# KiCad board Kanagawa.kicad_pcb (continued)
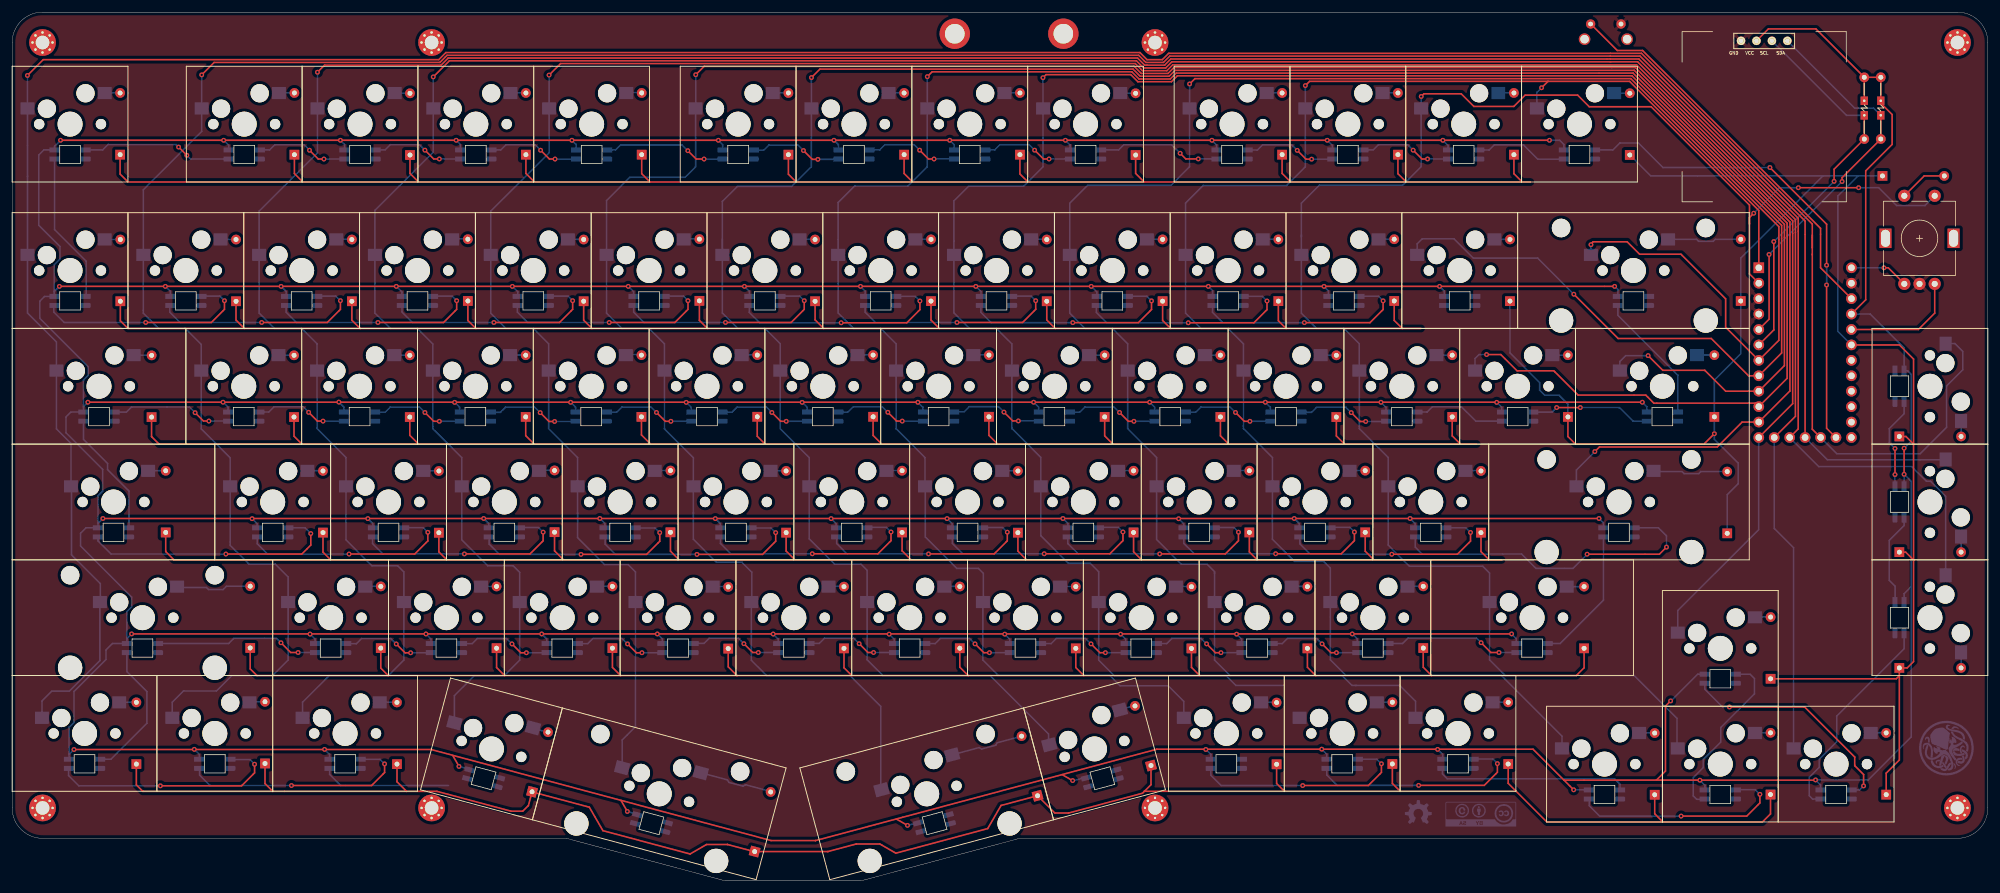
[diagram p0: board, top side]
## Nets (continued)
Net-(DE10-Pad2): DE10.2 KE10.2
Net-(DE11-Pad2): DE11.2 KE11.2
Net-(DE12-Pad2): DE12.2 KE12.2
Net-(DE13-Pad2): DE13.2 KE13.2
Net-(DF0-Pad2): DF0.2 KF0.2
Net-(DF1-Pad2): DF1.2 KF1.2
Net-(DF2-Pad2): DF2.2 KF2.2
Net-(DF3-Pad2): DF3.2 KF3.2
Net-(DF4-Pad2): DF4.2 KF4.2
Net-(DF5-Pad2): DF5.2 KF5.2
Net-(DF6-Pad2): DF6.2 KF6.2
Net-(DF7-Pad2): DF7.2 KF7.2
Net-(DF8-Pad2): DF8.2 KF8.2
Net-(DF9-Pad2): DF9.2 KF9.2
Net-(DF10-Pad2): DF10.2 KF10.2
Net-(DF11-Pad2): DF11.2 KF11.2
Net-(DF12-Pad2): DF12.2 KF12.2
Net-(DF13-Pad2): DF13.2 KF13.2

Pads without a net: MountBaseMiddleTop1 1; MountBaseMiddleTop2 1; MountBaseMiddleTop3 1; MountBaseMiddleTop4 1; MountBaseMiddleTop5 1; MountBaseMiddleTop6 1; MountBaseMiddleTop7 1; MountBaseMiddleTop8 1; RSW0 3; SW99 MP

## Via types
v1: diameter 0.8, hole 0.4, Top to Bottom, 240 vias

## Routing (per net, layer and track width the routed paths; a pad name or vN(x,y) marks a point on that pad's centre or on a via; arc(x,y) is an arc through that point)
VCC: length 2005.6
  Top w0.254: 145.49,10.16 147.2,9.17 ; 172.72,17.49 174.43,16.5 174.44,16.5 v1(174.45,16.51) ; 270.48,16.58 277.62,16.58 v1(277.63,16.57) 296.62,16.57 v1(296.66,16.61) ; 270.48,16.58 271.97,18.07 271.97,28.77 v1(272.82,29.62) ; 270.48,16.58 255.27,16.58 ; v1(7.96,121.91) v1(34.79,121.91) v1(54,121.91) v1(73.04,121.91) v1(92.08,121.91) v1(116.17,121.91) v1(135.19,121.91) v1(154.23,121.91) v1(173.26,121.91) v1(197.36,121.91) v1(216.33,121.91) v1(235.35,121.91) v1(252.89,121.91) ; 302.47,93.3 U0.21 304.91,95.65 304.91,116.88 309.26,121.23 309.26,126.14 307.39,128.01 R1.2 304.68,132.28 296.72,140.24 288.9,140.24 J1.2 ; 100.16,13.22 101.15,11.51 ; 255.27,16.58 250.18,21.67 188.3,21.67 146.49,10.47 141.92,9.24 ; 255.27,16.58 255.27,16.58 v1(256.87,14.98) ; v1(14.92,59.65) v1(261.04,59.65) ; v1(311.23,71.22) v1(311.23,66.93) ; 72.46,20.66 73.45,18.95 ; v1(10.17,21.62) 68.91,21.62 68.91,21.62 124.85,6.63 132.14,6.63 132.14,6.63 141.94,9.25 ; v1(7.77,97.86) v1(25.2,97.86) v1(44.24,97.86) v1(63.19,97.86) v1(82.28,97.86) v1(101.35,97.86) v1(120.46,97.86) v1(139.55,97.86) v1(158.52,97.86) v1(177.51,97.86) v1(196.77,97.86) v1(215.8,97.86) v1(234.81,97.86) v1(263.61,97.86) ; R2.2 304.67,132.29 ; v1(12.46,78.79) v1(268.16,78.79) ; v1(19.65,40.65) v1(246.66,40.65) ; 73.48,18.86 v1(73.5,18.84)
  Bottom w0.254: 101.18,11.41 103.07,10.9 ; 147.27,9.11 149.16,9.62 ; 174.46,16.46 176.35,16.97 ; 297.49,14.97 297.49,15.79 v1(296.66,16.61) 305.32,16.61 312.4,23.69 312.4,48.45 ; v1(51.39,21.64) 52.22,20.82 52.22,20 ; v1(34.69,78.79) 35.52,77.97 35.52,77.15 ; KC0.4 11.74,78 ; 11.74,78 11.74,78.07 v1(12.46,78.79) ; 11.74,78 11.74,82.43 12.52,83.21 12.52,84.62 4.55,92.59 4.55,95.42 5.33,96.2 6.91,96.2 6.91,97.02 ; KB11.4 216.53,97.14 v1(215.8,97.86) ; KA9.4 198.12,121.15 v1(197.36,121.91) ; v1(272.82,29.62) 272.86,29.62 277.26,34.02 KE12.4 ; v1(153.79,59.63) 154.62,58.81 154.62,57.99 ; v1(263.61,97.86) 264.15,97.32 KB13.4 ; v1(229.96,59.65) 230.79,58.83 230.79,58.01 ; 68.89,39 68.89,39.82 v1(68.07,40.64) ; v1(10.17,21.62) 9.43,20.88 9.36,20.88 ; KA8.4 174.02,121.15 v1(173.26,121.91) ; 183.17,38.97 183.17,39.79 v1(182.34,40.61) ; 197.19,19.99 197.19,20.81 v1(196.36,21.63) ; KB10.4 197.48,97.16 v1(196.77,97.86) ; v1(87.11,40.64) 87.93,39.82 87.93,39 ; v1(216.33,121.91) 217.18,121.07 KA10.4 ; 312.4,48.45 311.23,47.27 KF13.4 ; 312.4,48.45 312.4,65.75 v1(311.23,66.93) 311.23,64.9 ; v1(168.03,78.79) 168.86,77.97 168.86,77.15 ; v1(54,121.91) 54.67,121.24 KA2.4 ; KA1.4 35.63,121.08 v1(34.79,121.91) ; v1(234.49,21.64) 235.31,20.82 235.31,20 ; 18.88,39.79 18.88,39.88 v1(19.65,40.65) ; 18.88,39.79 KE0.4 ; 18.88,39.79 18.88,44.34 19.66,45.12 19.66,46.71 11.25,55.12 11.25,57.21 12.16,58.12 14.11,58.12 ; 202.25,38.97 202.25,39.79 v1(201.42,40.61) ; 216.25,20.04 216.25,20.86 v1(215.42,21.68) ; 6.91,97.02 6.91,101.42 7.87,102.38 7.87,104.42 4.37,107.92 4.37,119.48 5.21,120.32 KA0.4 6.98,120.92 v1(7.96,121.91) ; 6.91,97.02 6.93,97.02 v1(7.77,97.86) ; 268.92,77.15 268.92,78.04 v1(268.16,78.79) ; v1(225.17,78.78) 226,77.96 226,77.14 ; KB3.4 64.13,96.92 v1(63.19,97.86) ; 73.48,18.83 75.37,18.32 ; 14.12,58.85 14.12,63.39 14.89,64.16 14.89,67.73 8.86,73.76 8.86,76.38 9.65,77.17 11.73,77.17 ; 14.12,58.85 v1(14.92,59.65) ; 14.12,58.85 KD0.4 ; v1(235.35,121.91) 236.23,121.04 KA11.4 ; v1(44.24,97.86) 45.08,97.03 KB2.4 ; v1(154.23,121.91) 154.98,121.17 KA7.4 ; KB4.4 83.18,96.97 v1(82.28,97.86) ; v1(163.28,40.61) 164.11,39.79 164.11,38.97 ; KF0.4 9.36,20.88 ; 9.36,20.88 9.36,25.27 10.17,26.08 10.17,31.17 15.44,36.44 15.44,38.02 16.49,39.07 18.88,39.07 ; v1(144.27,40.61) 145.09,39.79 145.09,38.97 ; v1(115.67,59.63) 116.49,58.81 116.49,57.99 ; 278.45,14.93 278.45,15.75 v1(277.63,16.57) ; 126.02,38.99 126.02,39.81 v1(125.19,40.63) ; 247.43,38.98 247.43,39.89 v1(246.66,40.65) ; 30.78,20.01 30.78,20.83 v1(29.96,21.65) ; 73.61,77.13 73.61,77.95 v1(72.79,78.77) ; v1(53.74,78.81) 54.56,77.99 54.56,77.17 ; KA6.4 135.93,121.17 v1(135.19,121.91) ; KB9.4 178.43,96.94 v1(177.51,97.86) ; v1(25.2,97.86) 26.02,97.04 KB1.4 ; v1(39.47,59.62) 40.3,58.8 40.3,57.98 ; KB7.4 140.33,97.08 v1(139.55,97.86) ; v1(106.13,40.64) 106.95,39.82 106.95,39 ; v1(129.95,78.77) 130.77,77.95 130.77,77.13 ; v1(96.67,59.65) 97.49,58.83 97.49,58.01 ; KA4.4 92.78,121.22 v1(92.08,121.91) ; v1(101.35,97.86) 102.23,96.98 102.23,96.22 ; 135.55,57.99 135.55,58.81 v1(134.72,59.63) ; v1(210.9,59.65) 211.73,58.83 211.73,58.01 ; KA3.4 73.73,121.22 v1(73.04,121.91) ; v1(252.89,121.91) 254.56,121.91 255.27,121.2 255.27,120.32 ; 192.71,57.97 192.71,58.79 v1(191.89,59.61) ; 261.76,57.98 261.76,58.93 v1(261.04,59.65) ; v1(120.46,97.86) 121.28,97.05 KB6.4 ; v1(244.21,78.77) 245.04,77.95 245.04,77.13 ; v1(187.12,78.79) 187.94,77.97 187.94,77.15 ; 173.68,58.01 173.68,58.83 v1(172.85,59.65) ; 78.39,58.01 78.39,58.83 v1(77.57,59.65) ; 302.56,93.31 305.65,93.31 311.23,87.74 KD13.4 311.81,83.97 312.4,83.38 312.4,72.39 v1(311.23,71.22) ; KA5.4 116.88,121.2 v1(116.17,121.91) ; KB8.4 159.38,97 v1(158.52,97.86) ; v1(49,40.62) 49.83,39.8 49.83,38.98 ; 59.33,57.99 59.33,58.81 v1(58.51,59.63) ; v1(256.87,14.98) 259.38,14.98 259.41,14.96 ; KB12.4 235.57,97.1 v1(234.81,97.86) ; 149.81,77.14 149.81,77.96 v1(148.99,78.78) ; 111.7,77.13 111.7,77.95 v1(110.88,78.77) ; 206.98,77.15 206.98,77.97 v1(206.15,78.79) ; v1(220.45,40.64) 221.28,39.82 221.28,39 ; v1(91.87,78.78) 92.7,77.96 92.7,77.14
  vias: v1(101.2,11.42) v1(147.28,9.13)
/IN_A0: length 24.9
  Top w0.254: v1(27.38,120.79) v1(28.73,119.44)
  Bottom w0.254: v1(28.73,119.44) 29.35,118.82 35.63,118.82 ; KA0.5 14.89,120.32 15.78,121.21 26.96,121.21 v1(27.38,120.79)
/IN_A1: length 15.3
  Top w0.254: v1(51.28,118.82) 50.36,118.82 v1(48.91,120.27)
  Bottom w0.254: v1(51.28,118.82) 54.72,118.82 ; KA1.5 42.36,120.32 43.21,121.17 48.01,121.17 v1(48.91,120.27)
/IN_A2: length 15.3
  Top w0.254: v1(70.27,118.83) 69.35,118.83 v1(67.9,120.28)
  Bottom w0.254: v1(67.9,120.28) 67,121.18 62.2,121.18 61.35,120.33 59.72,120.33 ; v1(70.27,118.83) 73.71,118.83
/IN_A3: length 15.3
  Top w0.254: v1(89.3,118.82) 88.38,118.82 v1(86.93,120.27)
  Bottom w0.254: v1(89.3,118.82) 92.74,118.82 ; 78.75,120.32 80.38,120.32 81.23,121.17 86.03,121.17 v1(86.93,120.27)
/IN_A4: length 20.3
  Top w0.254: v1(111.15,120.19) 112.52,118.82 v1(113.82,118.82)
  Bottom w0.254: v1(113.82,118.82) 116.87,118.82 116.89,118.84 ; v1(111.15,120.19) 110.21,121.13 100.08,121.13 99.26,120.32 KA4.5
/IN_A5: length 15.3
  Top w0.254: v1(130.17,120.22) 131.62,118.77 v1(132.54,118.77)
  Bottom w0.254: v1(130.17,120.22) 129.27,121.12 124.47,121.12 123.62,120.27 121.99,120.27 ; v1(132.54,118.77) 135.98,118.77
/IN_A6: length 15.3
  Top w0.254: v1(149.28,120.28) 150.73,118.83 v1(151.65,118.83)
  Bottom w0.254: v1(149.28,120.28) 148.38,121.18 143.58,121.18 142.73,120.33 141.1,120.33 ; v1(151.65,118.83) 155.09,118.83
/IN_A7: length 15.3
  Top w0.254: v1(170.57,118.83) 169.65,118.83 v1(168.2,120.28)
  Bottom w0.254: 160.02,120.33 161.65,120.33 162.5,121.18 167.3,121.18 v1(168.2,120.28) ; v1(170.57,118.83) 174.01,118.83
/IN_A8: length 20.3
  Top w0.254: v1(195.12,118.84) 193.06,118.84 v1(192.13,119.77)
  Bottom w0.254: v1(192.13,119.77) 190.73,121.17 182.86,121.17 182.01,120.32 KA8.5 ; v1(195.12,118.84) 198.13,118.84
/IN_A9: length 15.3
  Top w0.254: v1(213.76,118.8) 212.84,118.8 v1(211.39,120.25)
  Bottom w0.254: 203.21,120.3 204.84,120.3 205.69,121.15 210.49,121.15 v1(211.39,120.25) ; v1(213.76,118.8) 217.2,118.8
/IN_A10: length 15.3
  Top w0.254: v1(230.46,120.28) 231.91,118.83 v1(232.83,118.83)
  Bottom w0.254: v1(232.83,118.83) 236.27,118.83 ; v1(230.46,120.28) 229.56,121.18 224.76,121.18 223.91,120.33 222.28,120.33
/IN_A11: length 15.3
  Bottom w0.254: 255.32,118.8 250.96,118.8 248.61,121.15 243.81,121.15 242.96,120.3 241.33,120.3
/IN_B0: length 24.8
  Bottom w0.254: 12.18,96.22 12.18,102 6.98,107.2 KA0.3
/IN_B1: length 36.4
  Top w0.254: v1(34.92,95.5) 34.92,94.08 32.76,91.92 v1(21.97,91.92)
  Bottom w0.254: v1(21.97,91.92) 8.56,91.92 6.86,93.62 6.86,94.74 ; 31.01,96.26 34.16,96.26 v1(34.92,95.5)
/IN_B2: length 36.4
  Top w0.254: v1(54,95.5) 54,94.08 51.84,91.92 v1(41.04,91.92)
  Bottom w0.254: v1(41.04,91.92) 27.63,91.92 25.93,93.62 25.93,94.74 ; 50.09,96.26 53.24,96.26 v1(54,95.5)
/IN_B3: length 36.4
  Top w0.254: v1(73.12,95.5) 73.12,94.08 70.96,91.92 v1(60.17,91.92)
  Bottom w0.254: v1(60.17,91.92) 46.76,91.92 45.06,93.62 45.06,94.74 ; v1(73.12,95.5) 72.36,96.26 69.21,96.26
/IN_B4: length 36.4
  Top w0.254: v1(79.25,91.92) 90.04,91.92 92.2,94.08 v1(92.2,95.5)
  Bottom w0.254: v1(92.2,95.5) 91.44,96.26 88.29,96.26 ; 64.14,94.74 64.14,93.62 65.83,91.92 v1(79.25,91.92)
/IN_B5: length 36.4
  Top w0.254: v1(111.17,95.5) 111.17,94.08 109.01,91.92 v1(98.22,91.92)
  Bottom w0.254: v1(111.17,95.5) 110.41,96.26 107.26,96.26 ; 83.11,94.74 83.11,93.62 84.81,91.92 v1(98.22,91.92)
/IN_B6: length 36.4
  Top w0.254: v1(117.35,91.92) 128.14,91.92 130.3,94.08 v1(130.3,95.5)
  Bottom w0.254: 126.39,96.26 129.54,96.26 v1(130.3,95.5) ; 102.24,94.74 102.24,93.62 103.93,91.92 v1(117.35,91.92)
/IN_B7: length 36.4
  Top w0.254: v1(149.32,95.45) 149.32,94.03 147.16,91.87 v1(136.37,91.87)
  Bottom w0.254: v1(136.37,91.87) 122.96,91.87 121.26,93.57 121.26,94.69 ; 145.41,96.21 148.56,96.21 v1(149.32,95.45)
/IN_B8: length 36.4
  Top w0.254: v1(168.37,95.5) 168.37,94.08 166.21,91.92 v1(155.42,91.92)
  Bottom w0.254: v1(168.37,95.5) 167.61,96.26 164.46,96.26 ; 140.31,94.74 140.31,93.62 142.01,91.92 v1(155.42,91.92)
/IN_B9: length 36.4
  Top w0.254: v1(187.42,95.47) 187.42,94.05 185.26,91.89 v1(174.47,91.89)
  Bottom w0.254: v1(174.47,91.89) 161.06,91.89 159.36,93.59 159.36,94.71 ; 183.51,96.24 186.66,96.24 v1(187.42,95.47)
/IN_B10: length 36.4
  Top w0.254: v1(193.47,91.87) 204.26,91.87 206.42,94.03 v1(206.42,95.45)
  Bottom w0.254: v1(193.47,91.87) 180.06,91.87 178.36,93.57 178.36,94.69 ; 202.51,96.21 205.66,96.21 v1(206.42,95.45)
/IN_B11: length 36.4
  Top w0.254: v1(225.52,95.47) 225.52,94.05 223.36,91.89 v1(212.57,91.89)
  Bottom w0.254: 197.46,94.71 197.46,93.59 199.16,91.89 v1(212.57,91.89) ; 221.61,96.24 224.76,96.24 v1(225.52,95.47)
/IN_C0: length 20.1
  Top w0.254: v1(30.1,77.06) 31.47,75.69 v1(32.36,75.69)
  Bottom w0.254: KC0.5 18.8,77.17 19.63,78 29.16,78 v1(30.1,77.06) ; 35.64,75.61 35.56,75.69 v1(32.36,75.69)
/IN_C1: length 15.3
  Top w0.254: v1(48.77,77.13) 50.22,75.68 v1(51.14,75.68)
  Bottom w0.254: v1(51.14,75.68) 54.58,75.68 ; v1(48.77,77.13) 47.87,78.03 43.07,78.03 42.22,77.18 40.59,77.18
/IN_C2: length 15.3
  Top w0.254: v1(67.9,77.1) 69.35,75.65 v1(70.27,75.65)
  Bottom w0.254: 59.72,77.15 61.35,77.15 62.2,78 67,78 v1(67.9,77.1) ; v1(70.27,75.65) 73.71,75.65
/IN_C3: length 15.3
  Top w0.254: v1(89.23,75.62) 88.31,75.62 v1(86.86,77.07)
  Bottom w0.254: v1(86.86,77.07) 85.96,77.97 81.16,77.97 80.31,77.12 78.68,77.12 ; v1(89.23,75.62) 92.67,75.62
/IN_C4: length 15.3
  Top w0.254: v1(105.99,77.1) 107.44,75.65 v1(108.36,75.65)
  Bottom w0.254: 97.81,77.15 99.44,77.15 100.29,78 105.09,78 v1(105.99,77.1) ; v1(108.36,75.65) 111.8,75.65
/IN_C5: length 15.3
  Top w0.254: v1(127.34,75.65) 126.42,75.65 v1(124.97,77.1)
  Bottom w0.254: 116.79,77.15 118.42,77.15 119.27,78 124.07,78 v1(124.97,77.1) ; v1(127.34,75.65) 130.78,75.65
/IN_C6: length 15.3
  Top w0.254: v1(144.05,77.13) 145.5,75.68 v1(146.42,75.68)
  Bottom w0.254: 135.87,77.18 137.5,77.18 138.35,78.03 143.15,78.03 v1(144.05,77.13) ; v1(146.42,75.68) 149.86,75.68
/IN_C7: length 15.3
  Top w0.254: v1(165.52,75.71) 164.6,75.71 v1(163.15,77.16)
  Bottom w0.254: v1(165.52,75.71) 168.96,75.71 ; 154.97,77.21 156.6,77.21 157.45,78.06 162.25,78.06 v1(163.15,77.16)
/IN_C8: length 15.3
  Top w0.254: v1(184.53,75.65) 183.61,75.65 v1(182.16,77.1)
  Bottom w0.254: v1(182.16,77.1) 181.26,78 176.46,78 175.61,77.15 173.98,77.15 ; v1(184.53,75.65) 187.97,75.65
/IN_C9: length 15.3
  Top w0.254: v1(201.24,77.1) 202.69,75.65 v1(203.61,75.65)
  Bottom w0.254: v1(203.61,75.65) 207.05,75.65 ; v1(201.24,77.1) 200.34,78 195.54,78 194.69,77.15 193.06,77.15
/IN_C10: length 15.3
  Top w0.254: v1(220.28,77.07) 221.73,75.62 v1(222.65,75.62)
  Bottom w0.254: v1(222.65,75.62) 226.09,75.62 ; 212.1,77.12 213.73,77.12 214.58,77.97 219.38,77.97 v1(220.28,77.07)
/IN_C11: length 15.3
  Bottom w0.254: 245.13,75.68 240.77,75.68 238.42,78.03 233.62,78.03 232.77,77.18 231.14,77.18
/IN_C12: length 19.9
  Top w0.254: v1(254.07,77.91) v1(257.96,77.91)
  Bottom w0.254: v1(254.07,77.91) 253.33,77.17 KC12.5 ; 268.91,75.67 266.64,75.67 264.4,77.91 v1(257.96,77.91)
/IN_C13: length 21.6
  Bottom w0.254: KB13.3 264.15,93.09 274.02,83.22 274.02,77.17
/IN_D0: length 20.6
  Bottom w0.254: KD0.5 19.22,64.17 15.7,67.69 15.7,68.71 11.74,72.66 KC0.3
/IN_D1: length 43.2
  Top w0.254: v1(49.12,57.17) 49.12,55.27 47.65,53.8 v1(35.15,53.8)
  Bottom w0.254: v1(35.15,53.8) 16.28,53.8 14.12,55.95 KD0.3 ; 45.42,58.11 48.18,58.11 v1(49.12,57.17)
/IN_D2: length 36.4
  Top w0.254: v1(68.38,57.38) 68.38,55.95 66.22,53.8 v1(55.42,53.8)
  Bottom w0.254: v1(55.42,53.8) 42.01,53.8 40.31,55.49 KD1.3 ; 64.47,58.14 67.61,58.14 v1(68.38,57.38)
/IN_D3: length 36.4
  Top w0.254: v1(74.39,53.82) 85.19,53.82 87.35,55.98 v1(87.35,57.4)
  Bottom w0.254: 59.28,56.64 59.28,55.52 60.98,53.82 v1(74.39,53.82) ; 83.44,58.16 86.59,58.16 v1(87.35,57.4)
/IN_D4: length 36.4
  Top w0.254: v1(106.52,57.32) 106.52,55.9 104.37,53.74 v1(93.57,53.74)
  Bottom w0.254: 78.46,56.56 78.46,55.44 80.16,53.74 v1(93.57,53.74) ; 102.61,58.08 105.76,58.08 v1(106.52,57.32)
/IN_D5: length 36.4
  Top w0.254: v1(125.6,57.32) 125.6,55.9 123.44,53.74 v1(112.65,53.74)
  Bottom w0.254: 97.54,56.56 97.54,55.44 99.24,53.74 v1(112.65,53.74) ; 121.69,58.08 124.84,58.08 v1(125.6,57.32)
/IN_D6: length 36.4
  Top w0.254: v1(144.57,57.42) 144.57,56 142.42,53.84 v1(131.62,53.84)
  Bottom w0.254: 116.51,56.67 116.51,55.54 118.21,53.84 v1(131.62,53.84) ; 140.66,58.19 143.81,58.19 v1(144.57,57.42)
/IN_D7: length 36.4
  Top w0.254: v1(150.75,53.82) 161.54,53.82 163.7,55.98 v1(163.7,57.4)
  Bottom w0.254: 135.64,56.64 135.64,55.52 137.34,53.82 v1(150.75,53.82) ; 159.79,58.16 162.94,58.16 v1(163.7,57.4)
/IN_D8: length 36.4
  Top w0.254: v1(182.72,57.42) 182.72,56 180.57,53.84 v1(169.77,53.84)
  Bottom w0.254: 154.66,56.67 154.66,55.54 156.36,53.84 v1(169.77,53.84) ; v1(182.72,57.42) 181.96,58.19 178.81,58.19
/IN_D9: length 36.4
  Top w0.254: v1(188.77,53.82) 199.57,53.82 201.72,55.98 v1(201.72,57.4)
  Bottom w0.254: v1(201.72,57.4) 200.96,58.16 197.81,58.16 ; v1(188.77,53.82) 175.36,53.82 173.66,55.52 173.66,56.64
/IN_D10: length 36.4
  Top w0.254: v1(207.85,53.84) 218.64,53.84 220.8,56 v1(220.8,57.42)
  Bottom w0.254: v1(207.85,53.84) 194.43,53.84 192.74,55.54 192.74,56.67 ; v1(220.8,57.42) 220.04,58.19 216.89,58.19
/IN_D11: length 36.4
  Top w0.254: v1(239.9,57.35) 239.9,55.93 237.74,53.77 v1(226.95,53.77)
  Bottom w0.254: 211.84,56.59 211.84,55.47 213.54,53.77 v1(226.95,53.77) ; v1(239.9,57.35) 239.14,58.11 235.99,58.11
/IN_D12: length 53.6
  Top w0.254: v1(259.08,53.77) 270.97,53.77 v1(272.14,54.94)
  Bottom w0.254: v1(272.14,54.94) 272.14,56.79 270.81,58.12 KD12.5 ; v1(259.08,53.77) 256.74,51.43 250.67,51.43 248.31,53.8 231.95,53.8 230.81,54.94 KD11.3
/IN_D13: length 15.3
  Top w0.254: v1(309.73,66.88) v1(309.73,71.17)
  Bottom w0.254: KE13.3 309.73,66.87 v1(309.73,66.88) ; KD13.5 311.23,76.89 308.79,74.46 308.79,72.11 v1(309.73,71.17)
/IN_E0: length 27.3
  Top w0.254: v1(44.22,39.19) 45.82,37.59 v1(47.04,37.59)
  Bottom w0.254: KE0.5 35.62,39.07 36.47,39.93 43.48,39.93 v1(44.22,39.19) ; v1(47.04,37.59) 49.73,37.59 49.86,37.46
/IN_E1: length 15.3
  Top w0.254: v1(63.18,38.99) 64.63,37.54 v1(65.55,37.54)
  Bottom w0.254: v1(65.55,37.54) 68.99,37.54 ; 55,39.04 56.63,39.04 57.48,39.89 62.28,39.89 v1(63.18,38.99)
/IN_E2: length 15.3
  Top w0.254: v1(84.59,37.55) 83.67,37.55 v1(82.22,39)
  Bottom w0.254: v1(82.22,39) 81.32,39.9 76.52,39.9 75.67,39.05 74.04,39.05 ; v1(84.59,37.55) 88.03,37.55
/IN_E3: length 15.3
  Top w0.254: v1(103.6,37.55) 102.68,37.55 v1(101.23,39)
  Bottom w0.254: v1(101.23,39) 100.33,39.9 95.53,39.9 94.68,39.05 93.05,39.05 ; v1(103.6,37.55) 107.04,37.55
/IN_E4: length 15.3
  Top w0.254: v1(120.37,39.04) 121.82,37.59 v1(122.74,37.59)
  Bottom w0.254: v1(120.37,39.04) 119.47,39.94 114.67,39.94 113.82,39.09 112.19,39.09 ; v1(122.74,37.59) 126.18,37.59
/IN_E5: length 15.3
  Top w0.254: v1(141.7,37.59) 140.78,37.59 v1(139.33,39.04)
  Bottom w0.254: v1(141.7,37.59) 145.14,37.59 ; 131.15,39.09 132.78,39.09 133.63,39.94 138.43,39.94 v1(139.33,39.04)
/IN_E6: length 15.3
  Top w0.254: v1(158.39,39.01) 159.84,37.56 v1(160.76,37.56)
  Bottom w0.254: v1(158.39,39.01) 157.49,39.91 152.69,39.91 151.84,39.06 150.21,39.06 ; v1(160.76,37.56) 164.2,37.56
/IN_E7: length 15.3
  Top w0.254: v1(177.47,39.01) 178.92,37.56 v1(179.84,37.56)
  Bottom w0.254: v1(179.84,37.56) 183.28,37.56 ; 169.29,39.06 170.92,39.06 171.77,39.91 176.57,39.91 v1(177.47,39.01)
/IN_E8: length 15.3
  Top w0.254: v1(198.85,37.56) 197.93,37.56 v1(196.48,39.01)
  Bottom w0.254: v1(196.48,39.01) 195.58,39.91 190.78,39.91 189.93,39.06 188.3,39.06 ; v1(198.85,37.56) 202.29,37.56
/IN_E9: length 15.3
  Top w0.254: v1(217.85,37.56) 216.93,37.56 v1(215.48,39.01)
  Bottom w0.254: v1(217.85,37.56) 221.29,37.56 ; 207.3,39.06 208.93,39.06 209.78,39.91 214.58,39.91 v1(215.48,39.01)
/IN_E10: length 22.4
  Top w0.254: v1(244.58,37.59) 243.25,37.59 v1(241.64,39.2)
  Bottom w0.254: v1(241.64,39.2) 240.88,39.96 229.61,39.96 228.72,39.07 KE10.5 ; v1(244.58,37.59) 247.46,37.59
/IN_E11: length 22.6
  Bottom w0.254: KE11.5 254.64,39.07 261.77,46.2 261.77,56.63
/IN_E12: length 29
  Bottom w0.254: 278.41,13.43 277.09,13.43 276.54,13.98 276.54,17 278.18,18.64 278.18,19.97 281.06,22.85 281.06,25.24 286.61,30.79 286.61,33.3 285.9,34.01 283.53,34.01
/IN_E13: length 15.4
  Bottom w0.254: KE13.5 311.23,58.48 308.78,56.04 308.78,49.47 309.75,48.5 309.75,45.86
/IN_F0: length 23.2
  Bottom w0.254: 18.88,37.57 18.88,34.44 22.17,31.15 22.17,25.94 16.25,20.02 KF0.5
/IN_F1: length 39
  Top w0.254: v1(39.88,19.2) 39.88,17.78 37.74,15.64 v1(24.38,15.64)
  Bottom w0.254: 35.97,19.96 39.12,19.96 v1(39.88,19.2) ; v1(24.38,15.64) 10.97,15.64 9.27,17.34 9.27,18.46
/IN_F2: length 38.8
  Top w0.254: v1(61.26,19.25) 61.26,17.83 59.13,15.69 v1(45.95,15.69)
  Bottom w0.254: 30.84,18.51 30.84,17.39 32.53,15.69 v1(45.95,15.69) ; 57.35,20.01 60.5,20.01 v1(61.26,19.25)
/IN_F3: length 21.3
  Bottom w0.254: 71.78,15.7 54.05,15.7 52.22,17.52 52.22,18.4 52.22,18.4 KF2.3
/IN_F8: length 36.4
  Top w0.254: v1(225.24,19.27) 225.24,17.85 223.09,15.69 v1(212.29,15.69)
  Bottom w0.254: 197.18,18.51 197.18,17.39 198.88,15.69 v1(212.29,15.69) ; v1(225.24,19.27) 224.48,20.04 221.33,20.04
/IN_F9: length 36.4
  Top w0.254: v1(231.37,15.72) 242.16,15.72 244.32,17.88 v1(244.32,19.3)
  Bottom w0.254: 216.26,18.54 216.26,17.42 217.95,15.72 v1(231.37,15.72) ; v1(244.32,19.3) 243.56,20.06 240.41,20.06
/IN_F10: length 31.8
  Bottom w0.254: KF10.5 264.49,15.9 263.6,16.79 236.09,16.79 235.29,17.59 KF9.3
/IN_F11: length 36.4
  Top w0.254: v1(287.5,14.24) 287.5,12.82 285.34,10.66 v1(274.55,10.66)
  Bottom w0.254: v1(274.55,10.66) 261.13,10.66 259.44,12.36 259.44,13.49 ; v1(287.5,14.24) 286.74,15.01 283.59,15.01
/IN_F12: length 37.9
  Top w0.254: v1(282.49,28.62) 294.86,28.62 303.1,20.38 303.1,18.96 304.56,17.5 v1(304.56,15.63)
  Bottom w0.254: KF12.5 303.9,14.97 v1(304.56,15.63) ; KE12.3 278.44,31.54 281.36,28.62 v1(282.49,28.62)
/IN_F13: length 35.3
  Bottom w0.254: KF12.3 296.17,13.47 295.62,14.02 295.62,17.04 297.26,18.68 297.26,20.01 300.14,22.89 300.14,27.13 311.23,38.22 311.23,40.77
/SW99B: length 7.9
  Top w0.254: DA13.2 314.53,116.04 SW99.S2
col00: length 502.5
  Top w0.254: 296.12,104.27 296.12,106.29 ; 296.12,104.27 296.12,74.34 U0.28 ; 296.12,104.27 296.12,108.12 268.02,136.22 190.24,136.22 189.2,135.18 186.68,135.18 185.51,136.35 71.35,136.35 70.18,135.18 5.11,135.18 v1(2.51,132.58)
  Bottom w0.254: KE0.1 14.43,36.25 9.41,31.23 6.52,31.23 4.91,29.62 4.91,26.84 ; U0.28 300.16,70.31 313.87,70.31 318.21,74.65 318.21,81.46 320.88,84.12 320.88,87.15 319.58,88.44 318.03,88.44 ; 14.51,46.16 14.51,48.92 9.76,53.67 9.76,65.26 ; 9.68,64.94 9.68,72 7.29,74.39 KC0.1 ; KA0.1 2.53,115.89 ; 7.28,84 7.28,88.72 2.53,93.47 KB0.1 ; 2.53,116.05 2.53,115.89 ; 2.53,115.89 2.53,103.11 ; 2.52,127.16 2.52,132.57 v1(2.51,132.58)
col01: length 477.3
  Top w0.254: U0.27 294.94,108.61 267.79,135.76 262.91,135.76 262.9,135.77 190.43,135.77 189.39,134.73 186.49,134.73 185.32,135.9 71.54,135.9 70.37,134.73 33.23,134.73 v1(31.18,132.68)
  Bottom w0.254: v1(31.18,132.68) 31.18,127.15 ; U0.27 298.61,69.31 318.03,69.31 318.06,69.34 ; 31.18,127.15 31.18,123.36 21.58,113.75 KB1.1 21.58,93.46 24.07,90.96 28.44,90.96 31.1,88.3 31.1,84 ; 35.86,64.95 35.86,69.64 31.1,74.4 KC1.1 ; KE1.1 45.39,36.34 42.83,33.78 36.12,33.78 33.6,31.26 28.18,31.26 26.34,29.42 26.34,26.85 ; 45.4,45.9 45.4,50.02 43.29,52.13 38.95,52.13 35.86,55.22 KD1.1
col02: length 473.4
  Top w0.254: 292.4,72.99 293.8,74.39 293.8,109.08 267.59,135.29 190.59,135.29 189.58,134.27 186.3,134.27 185.13,135.44 71.73,135.44 70.56,134.27 51.38,134.27 v1(50.22,133.11)
  Bottom w0.254: U0.26 297.19,68.2 312.47,68.2 314.88,65.78 315.57,65.78 318.06,63.3 KF13.1 ; KD2.1 54.91,56.14 59.19,51.86 63.42,51.86 64.44,50.84 KE2.1 64.44,36.35 61.88,33.79 52.15,33.79 47.77,29.41 47.77,26.84 ; KC2.1 50.15,74.45 54.91,69.69 54.91,64.95 ; KA2.1 50.22,119.84 40.62,110.24 KB2.1 40.62,93.47 43.15,90.94 47.62,90.94 50.15,88.41 50.15,83.99 ; v1(50.22,133.11) 50.22,127.16
col03: length 459.2
  Top w0.254: v1(69.27,132.34) 71.92,134.99 184.94,134.99 186.11,133.82 189.76,133.82 190.77,134.82 267.39,134.82 293.35,108.86 293.35,76.47 U0.25
  Bottom w0.254: v1(69.27,132.34) 69.27,127.15 ; KC3.1 69.2,74.44 73.96,69.68 73.96,64.95 ; 72.75,26.02 72.75,30.49 76.03,33.77 80.93,33.77 83.49,36.33 KE3.1 83.49,50.78 82.41,51.86 78.24,51.86 73.96,56.14 KD3.1 ; KF12.1 293.04,54.84 289.86,58.01 289.86,73 ; 69.2,83.99 69.2,88.37 66.64,90.93 62.2,90.93 59.68,93.45 59.68,110.38 69.28,119.97 KA3.1
col04: length 426.3
  Top w0.254: v1(88.32,132.64) 90.21,134.53 184.75,134.53 185.92,133.36 189.95,133.36 190.92,134.33 267.21,134.33 292.89,108.65 292.89,78.56 U0.12
  Bottom w0.254: KA4.1 88.33,119.84 78.73,110.25 KB4.1 78.73,93.44 81.21,90.95 85.7,90.95 88.25,88.4 88.25,84 ; 93.01,60.55 93.01,60.38 ; 93.01,60.55 KD4.1 ; 93.01,60.55 93.01,56.5 97.44,52.07 101.32,52.07 102.54,50.85 KE4.1 102.54,25.38 100.35,23.19 KF4.1 ; v1(88.32,132.64) 88.32,127.14 ; KC4.1 88.25,74.44 93.01,69.68 93.01,64.95 ; 287.3,72.97 287.3,57.81 273.99,44.5 KE12.1
col05: length 423.2
  Top w0.254: v1(112.45,132.7) 113.83,134.08 184.57,134.08 185.74,132.91 190.14,132.91 191.11,133.88 267.02,133.88 292.44,108.46 292.44,80.64 U0.11 ; 287.32,75.51 284.58,75.51 280.5,71.43 261.12,71.43 v1(260.35,70.66)
  Bottom w0.254: 112.06,60.61 112.06,69.65 107.3,74.41 KC5.1 ; 112.06,60.61 112.06,60.42 ; 112.06,60.61 112.06,56.23 115.84,52.45 120.03,52.45 121.67,50.81 121.67,46.25 ; 107.3,84.01 107.3,88.41 104.77,90.94 100.28,90.94 97.78,93.44 KB5.1 97.78,111.97 101.62,115.82 110.69,115.82 112.43,117.55 KA5.1 ; KD12.1 257.32,67.63 v1(260.35,70.66) ; 142.88,15.46 142.88,28.72 137.8,33.8 124.1,33.8 121.6,36.3 121.6,45.9 ; v1(112.45,132.7) 112.45,127.15
col06: length 418
  Top w0.254: v1(242.54,86.64) 244.88,86.64 247.55,83.97 253.59,83.97 257.61,79.96 268.73,79.96 270.05,78.64 286.75,78.64 U0.10 291.99,82.73 291.99,108.27 266.83,133.42 191.29,133.42 190.33,132.46 185.55,132.46 184.38,133.63 132.88,133.63 v1(131.48,132.23)
  Bottom w0.254: v1(242.54,86.64) 241.3,86.64 240.64,85.98 240.64,84.02 240.69,83.97 ; 131.12,64.94 131.12,69.67 126.35,74.44 KC6.1 ; 170.48,22.86 170.48,24.19 160.88,33.79 143.24,33.79 140.64,36.39 KE6.1 140.64,51.12 139.64,52.12 135.29,52.12 131.11,56.3 KD6.1 ; 116.82,103.06 116.82,111.84 119.29,114.31 128.22,114.31 131.48,117.56 KA6.1 ; 126.35,84 126.35,88.42 123.82,90.95 119.35,90.95 116.83,93.47 KB6.1 116.83,105.58 ; v1(131.48,132.23) 131.48,127.13
col07: length 369.5
  Top w0.254: v1(150.54,132.38) 151.33,133.17 184.19,133.17 185.36,132 190.52,132 191.48,132.97 266.65,132.97 291.53,108.08 291.53,84.81 U0.9 281.88,80.6 278.43,84.05 271.53,84.05 v1(269.11,86.46)
  Bottom w0.254: 135.88,105.53 135.88,105.63 ; 135.88,105.53 135.88,93.48 138.42,90.94 142.87,90.94 145.4,88.41 145.4,84 ; 135.88,105.53 135.88,111.67 138.59,114.38 147.38,114.38 150.53,117.53 KA7.1 ; KE7.1 159.69,36.33 162.19,33.83 180.53,33.83 182.25,32.11 190.16,32.11 192.74,29.53 192.74,26.83 ; 150.21,65.16 150.21,56.61 155.39,51.43 158.95,51.43 159.76,50.62 159.76,46.06 ; v1(269.11,86.46) 265.43,86.46 264.46,85.49 KC13.1 ; v1(150.54,132.38) 150.54,127.15 ; KC7.1 145.4,74.43 150.16,69.67 150.16,64.92
col08: length 381
  Top w0.254: v1(169.57,132.21) 170.08,132.72 184,132.72 185.17,131.55 190.7,131.55 191.67,132.51 266.46,132.51 291.08,107.89 291.08,86.9 287.31,83.13 ; 287.35,83.13 285.65,83.13 279.5,89.28 264.19,89.28 v1(256.9,96.57)
  Bottom w0.254: KA8.1 169.57,117.54 166.37,114.34 157.32,114.34 154.93,111.94 154.93,105.27 ; 164.45,83.99 164.45,88.39 161.89,90.95 157.47,90.95 154.93,93.5 KB8.1 154.93,105.27 ; v1(169.57,132.21) 169.57,127.15 ; 154.93,105.27 154.93,105.46 ; KD8.1 169.21,56.81 173.75,52.27 177.35,52.27 178.74,50.88 KE8.1 178.74,36.33 181.34,33.73 199.73,33.73 201.29,32.17 209.16,32.17 ; v1(256.9,96.57) 250.95,102.51 240.36,102.51 237.19,105.69 231.95,105.69 231.12,104.86 KB12.1 ; KC8.1 164.45,74.46 169.21,69.7 169.21,64.95
col09: length 335.8
  Top w0.254: v1(259.72,104.72) 259.72,104.85 260.07,105.2 265.66,105.2 267.72,103.15 274.52,103.15 281.86,95.81 281.86,91.14 U0.7 ; 287.3,85.66 290.62,88.99 290.62,107.7 266.26,132.06 194.57,132.06 v1(193.69,131.18)
  Bottom w0.254: KA9.1 193.68,117.54 190.63,114.5 176.92,114.5 173.98,111.55 KB9.1 173.98,93.45 176.49,90.94 180.98,90.94 183.5,88.42 183.5,83.99 ; 197.79,50.65 KE9.1 197.79,36.33 200.34,33.78 218.8,33.78 220.41,32.17 221.08,32.17 ; 197.79,50.65 197.79,50.9 196.57,52.12 192.33,52.12 188.26,56.19 KD9.1 ; 197.79,50.65 197.79,50.77 ; v1(259.72,104.72) 259.72,103.1 ; 221.08,32.17 228.25,32.17 230.86,29.56 230.86,27.11 ; 221.08,32.17 220.89,32.17 ; 188.26,64.96 188.26,69.69 183.5,74.45 KC9.1 ; v1(193.69,131.18) 193.69,127.16
col10: length 269.7
  Top w0.254: v1(251.59,130.55) 252.64,131.61 252.64,131.61 ; 252.64,131.61 213.43,131.61 v1(212.73,130.91) ; 252.64,131.61 266.07,131.61 287.32,110.36 U0.1
  Bottom w0.254: v1(212.73,130.91) 212.73,127.14 ; KA12.1 250.82,129.79 v1(251.59,130.55) ; 254.95,21.81 254.95,23.81 244.94,33.82 219.41,33.82 216.84,36.39 KE10.1 216.84,51.49 215.75,52.58 210.97,52.58 207.31,56.24 KD10.1 ; KC10.1 202.55,74.45 207.32,69.68 207.32,64.96 ; 202.55,83.99 202.55,88.4 200.01,90.94 195.54,90.94 193.03,93.45 KB10.1 193.03,111.56 195.92,114.46 209.64,114.46 212.73,117.54 KA10.1
col11: length 283.6
  Top w0.254: v1(293.83,114.1) v1(303.75,114.1) ; 285.79,108.14 285.79,111.25 269.61,127.43 259.43,127.43 257.52,129.34 248.89,129.34 247.03,127.48 240.45,127.48 238.37,129.56 232.23,129.56 v1(231.79,129.12) ; 285.79,108.14 285.79,99.91 U0.2 ; 285.79,108.14 285.79,109.2 v1(286.49,109.9)
  Bottom w0.254: 221.61,84.35 221.61,74.44 226.36,69.69 226.36,64.93 ; v1(231.79,129.12) 231.79,127.15 ; v1(286.49,109.9) 290.69,114.1 v1(293.83,114.1) ; 212.07,106.03 KB11.1 212.07,93.45 214.57,90.95 219.07,90.95 221.6,88.42 221.6,84 ; 212.07,106.03 212.07,111.55 215.04,114.52 228.73,114.52 231.78,117.56 KA11.1 ; 212.07,106.03 212.07,106.34 ; 273.87,22.36 273.87,26.75 266.83,33.79 245.62,33.79 243.03,36.38 KE11.1 243.03,50.67 241.91,51.79 229.84,51.79 226.36,55.27 KD11.1 ; v1(303.75,114.1) 307.05,114.1 309.99,111.16 314.65,111.16 SW99.S1
